# Altium PCB Boris_IO.PcbDoc (part 1 of 2)
Units mm, origin at the board's own origin, x right, y up, seen from the top; angles counter-clockwise.
Board outline 102.8 x 86.9 mm, 2 copper layers (Top Layer, Bottom Layer); 164 components, 216 nets, 847 pads, 54 vias.
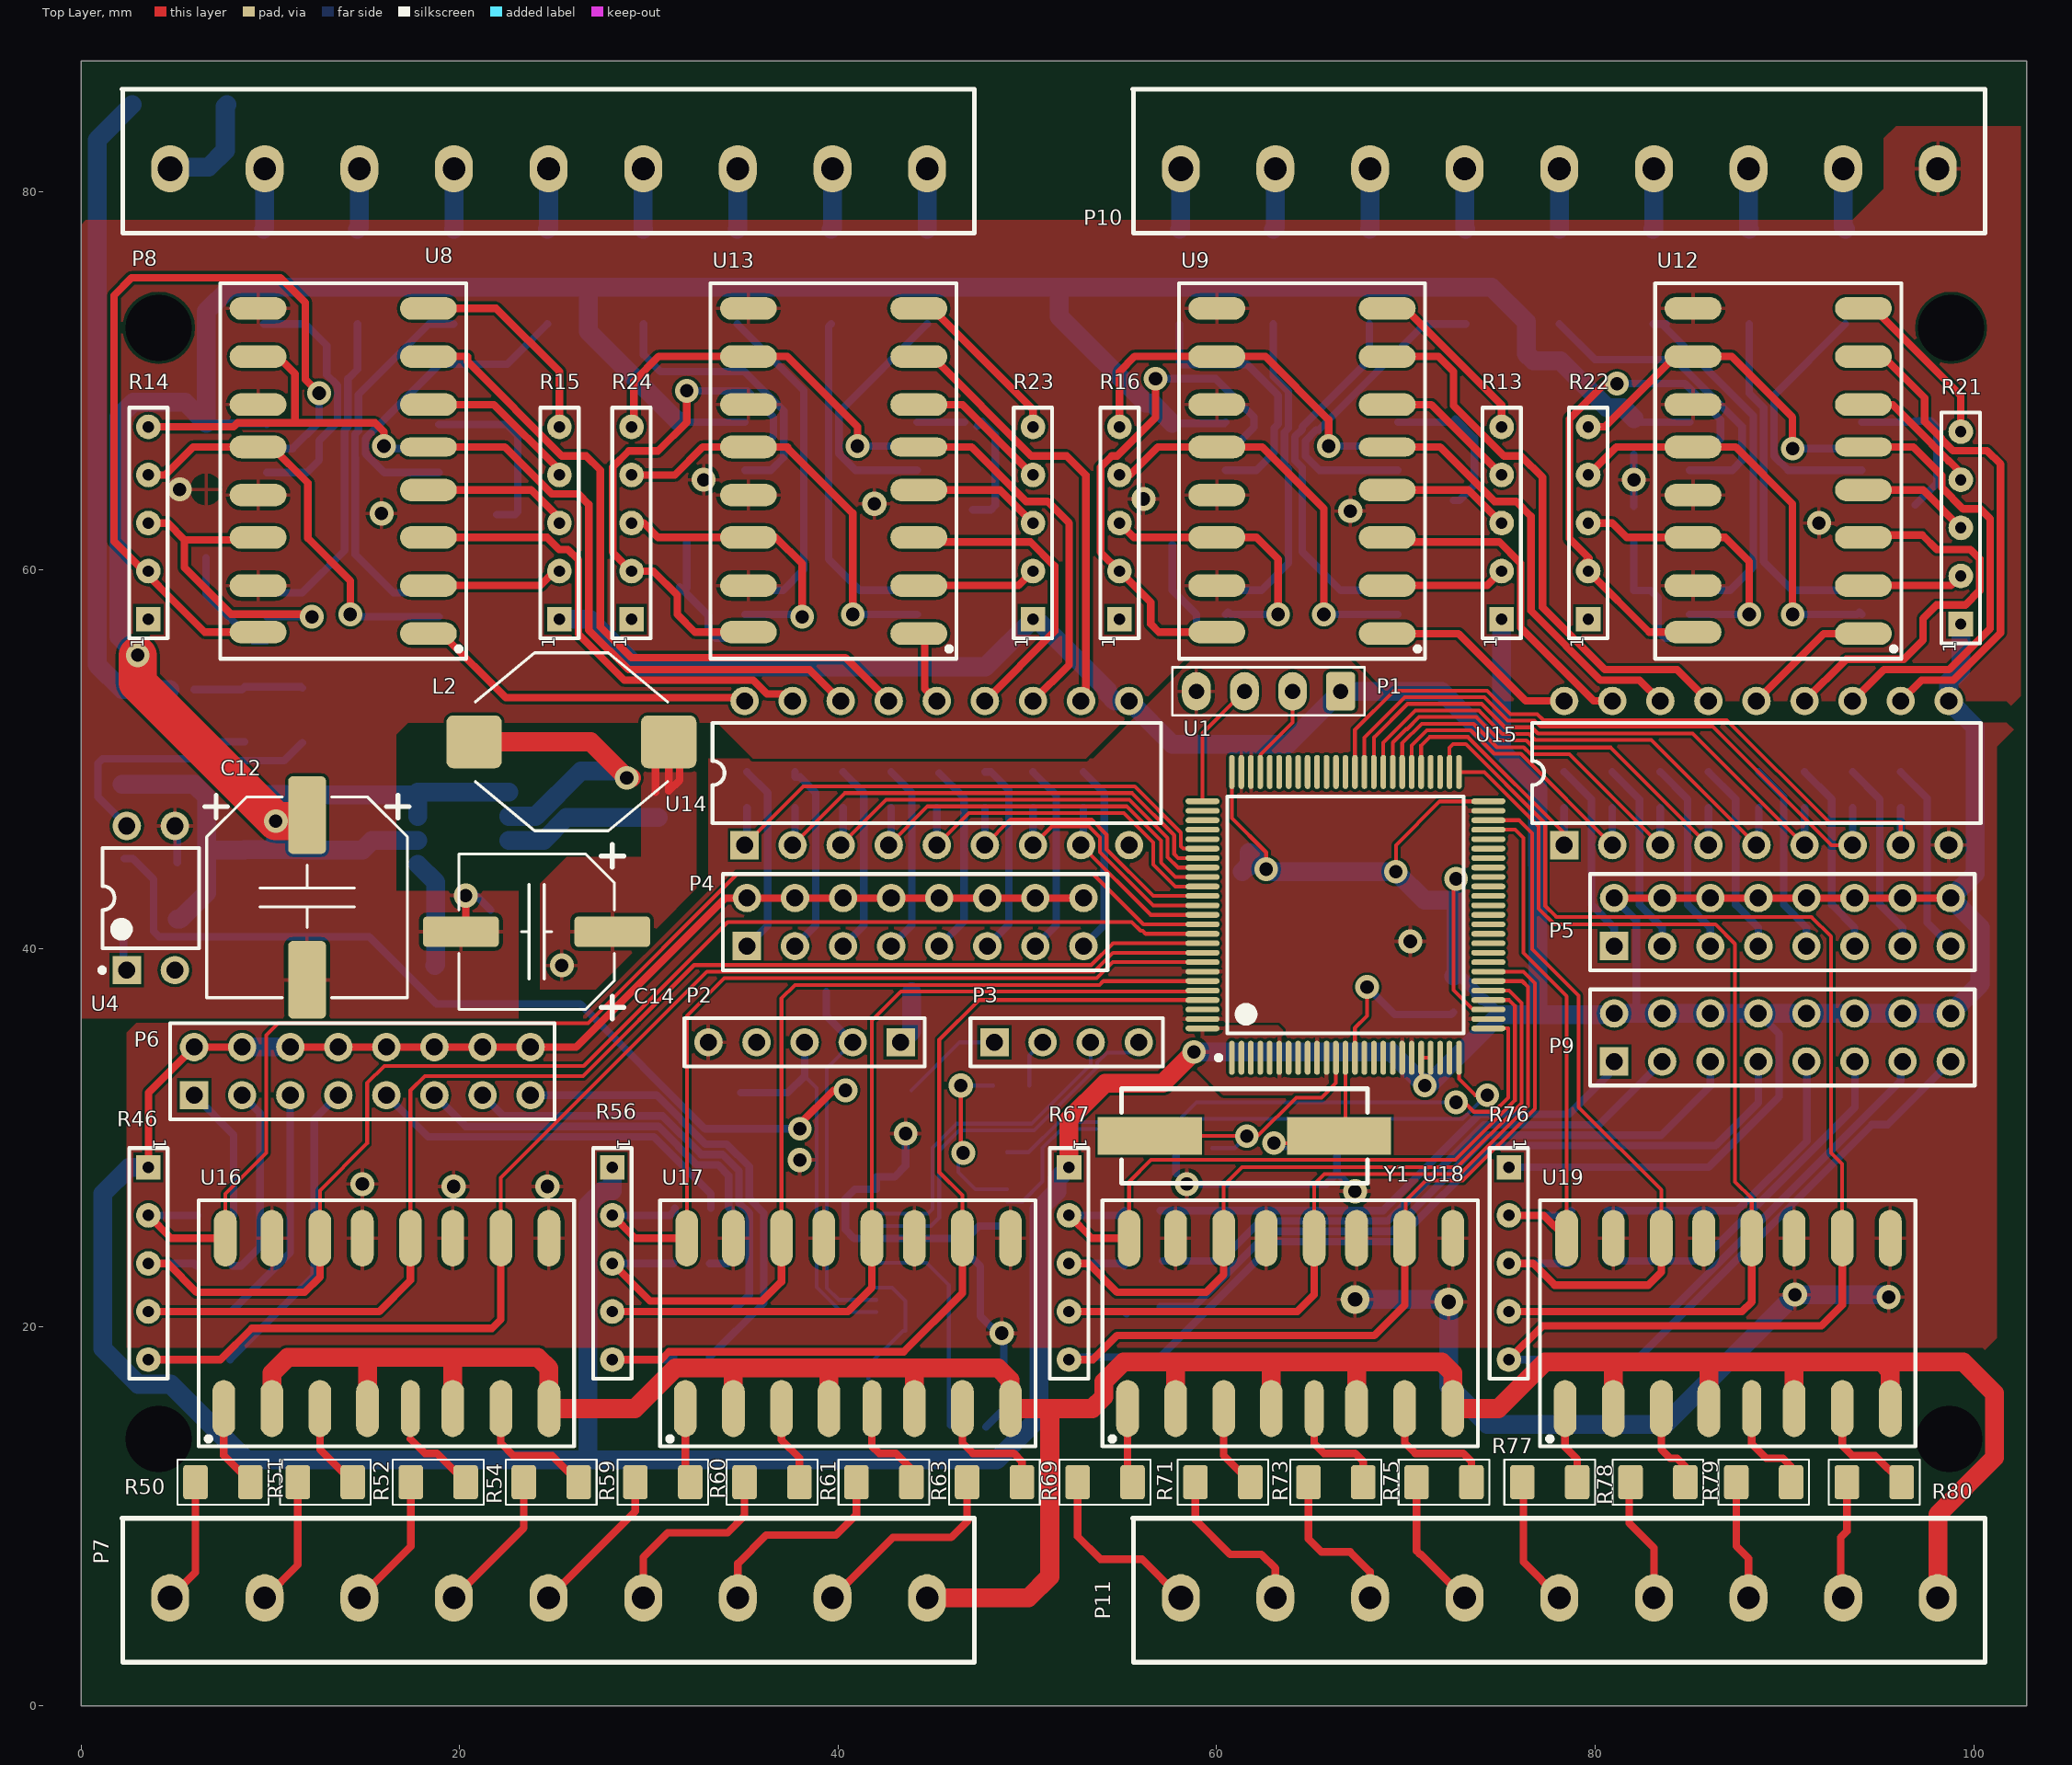
[diagram p0: Top Layer view]
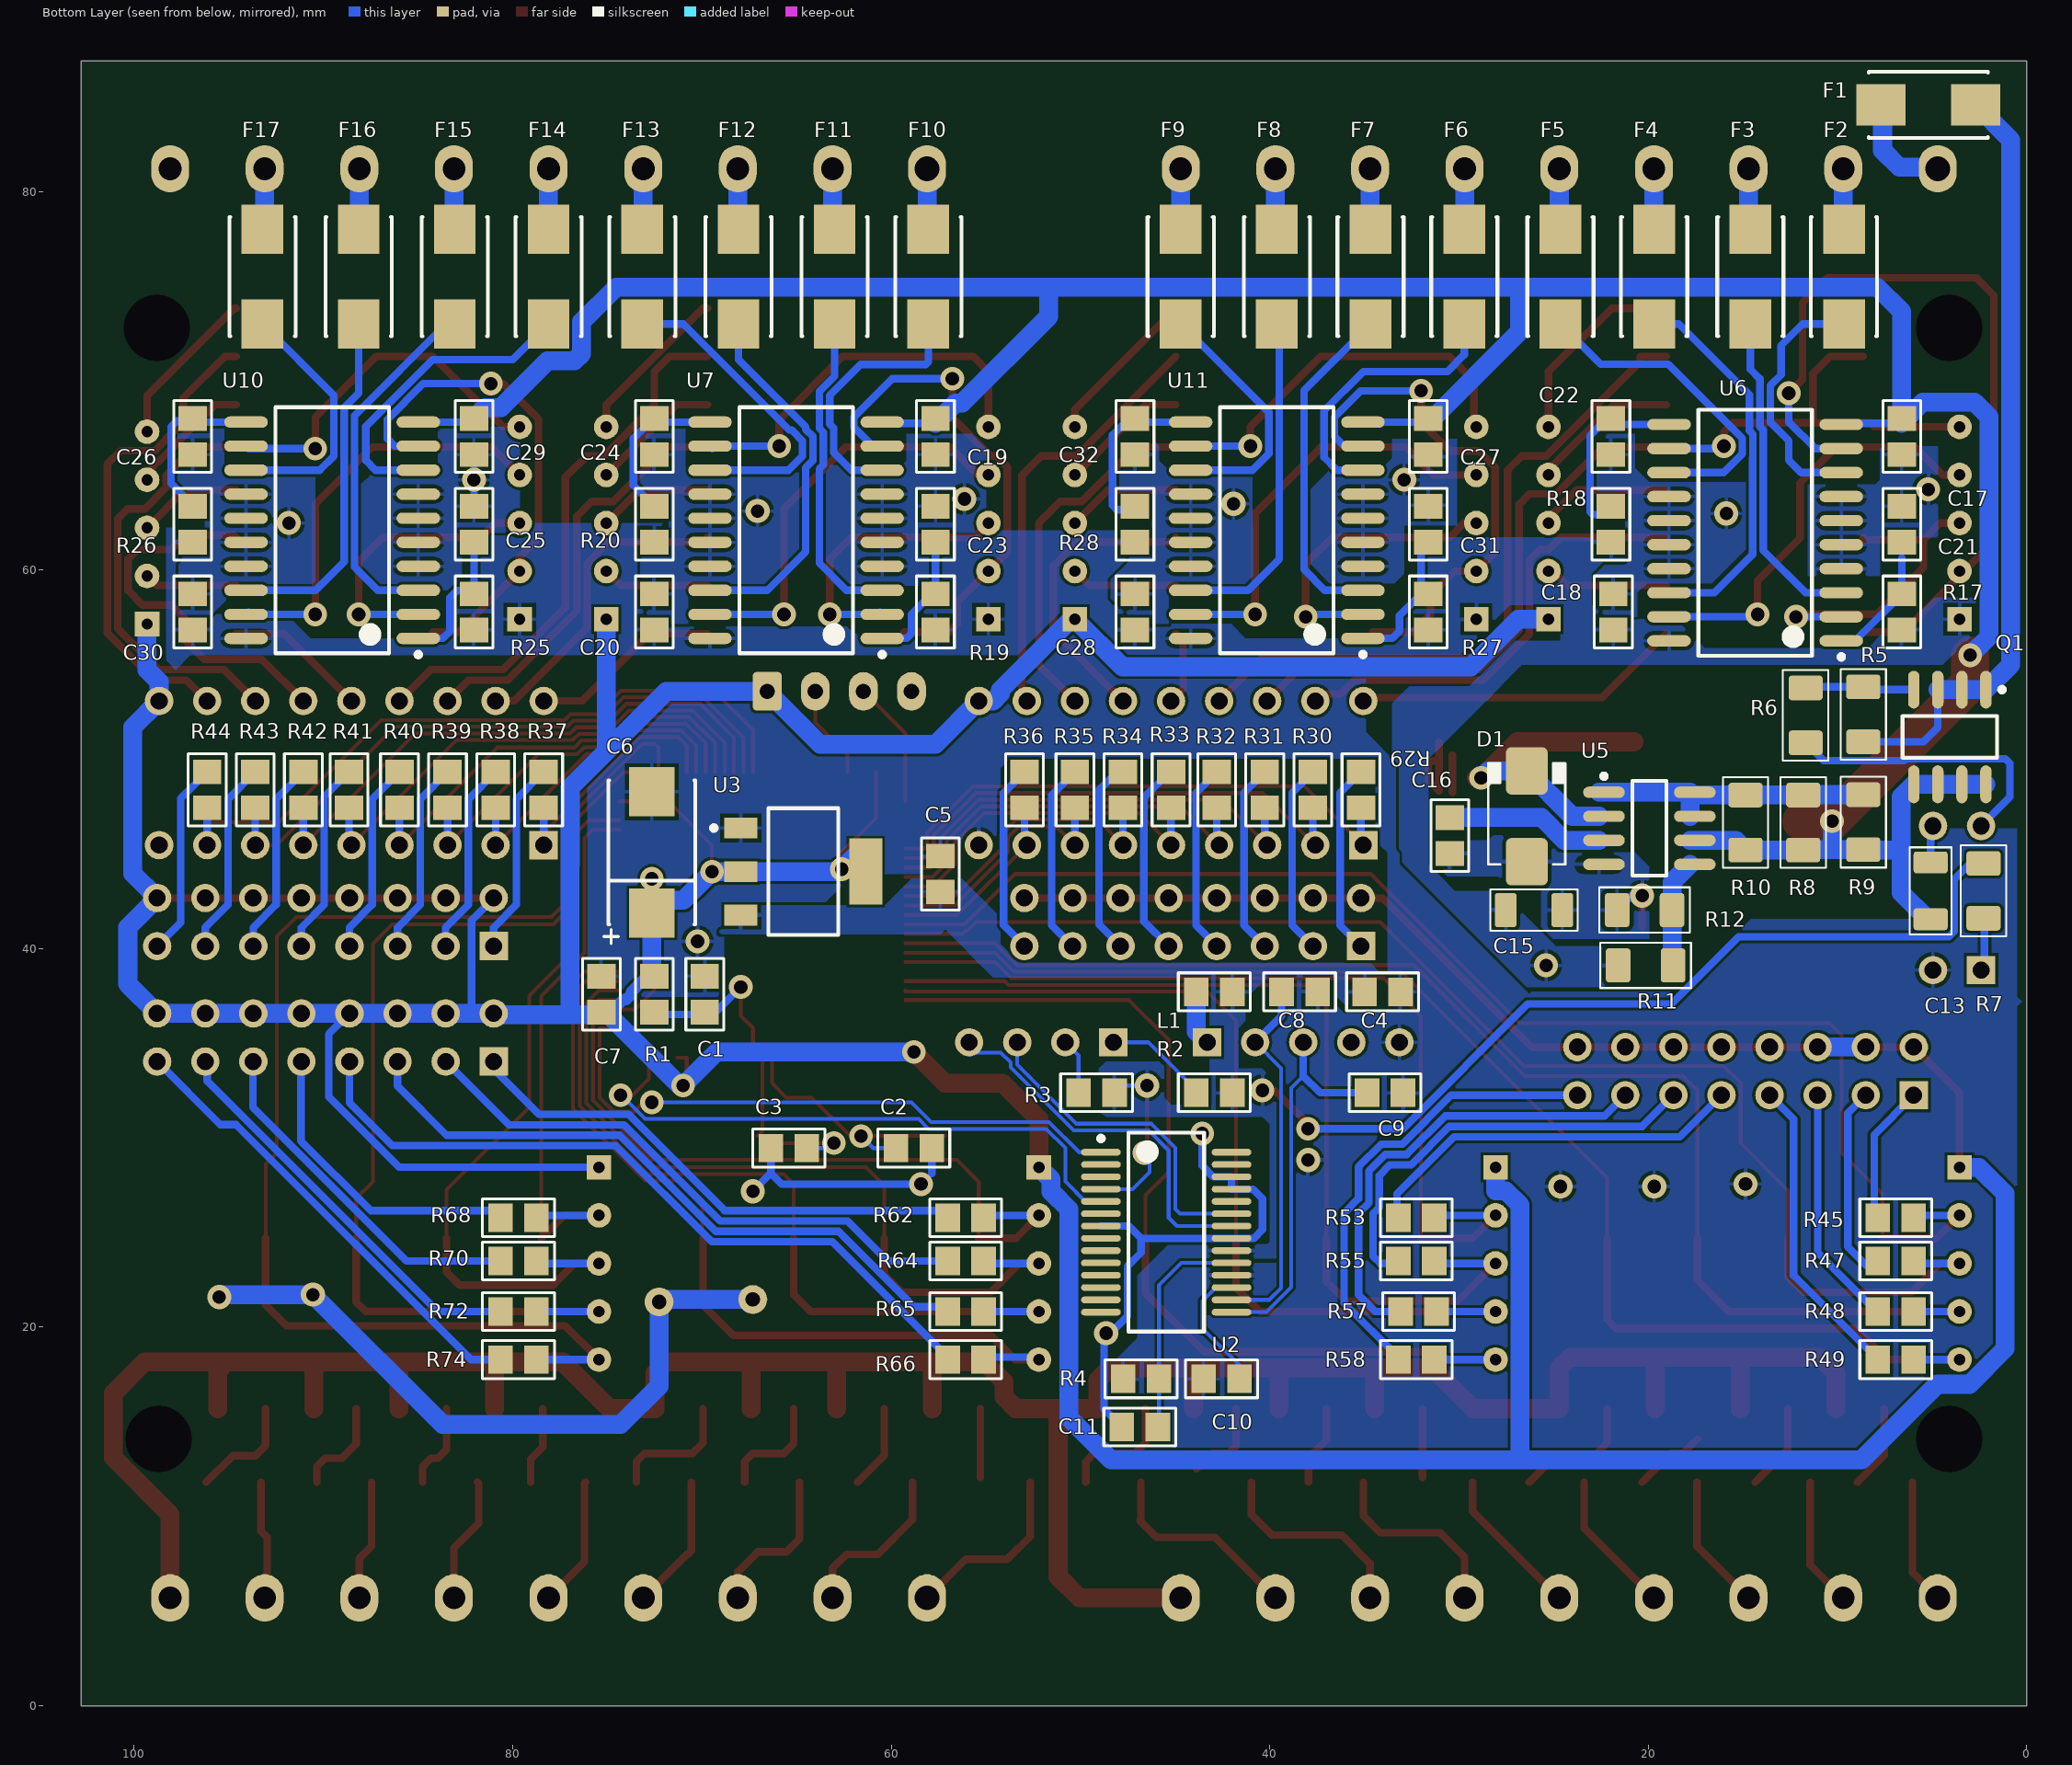
[diagram p1: Bottom Layer view, seen from below]
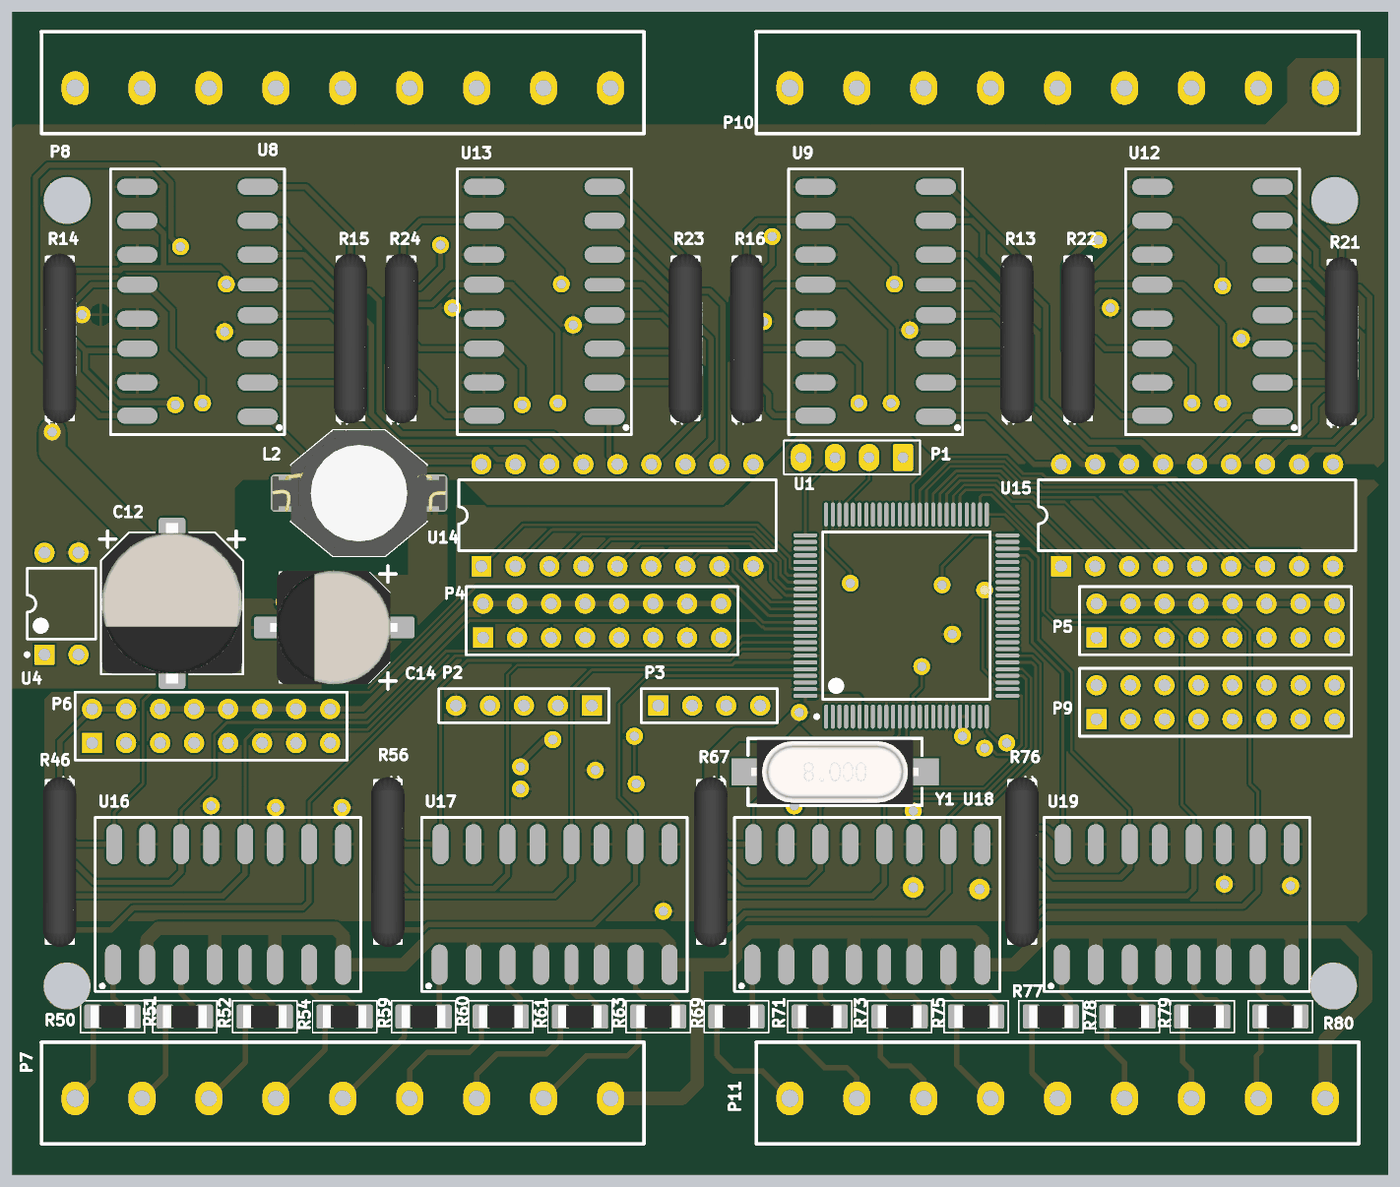
[diagram p3: 3D render of the assembled board from above, using the file's embedded part models]
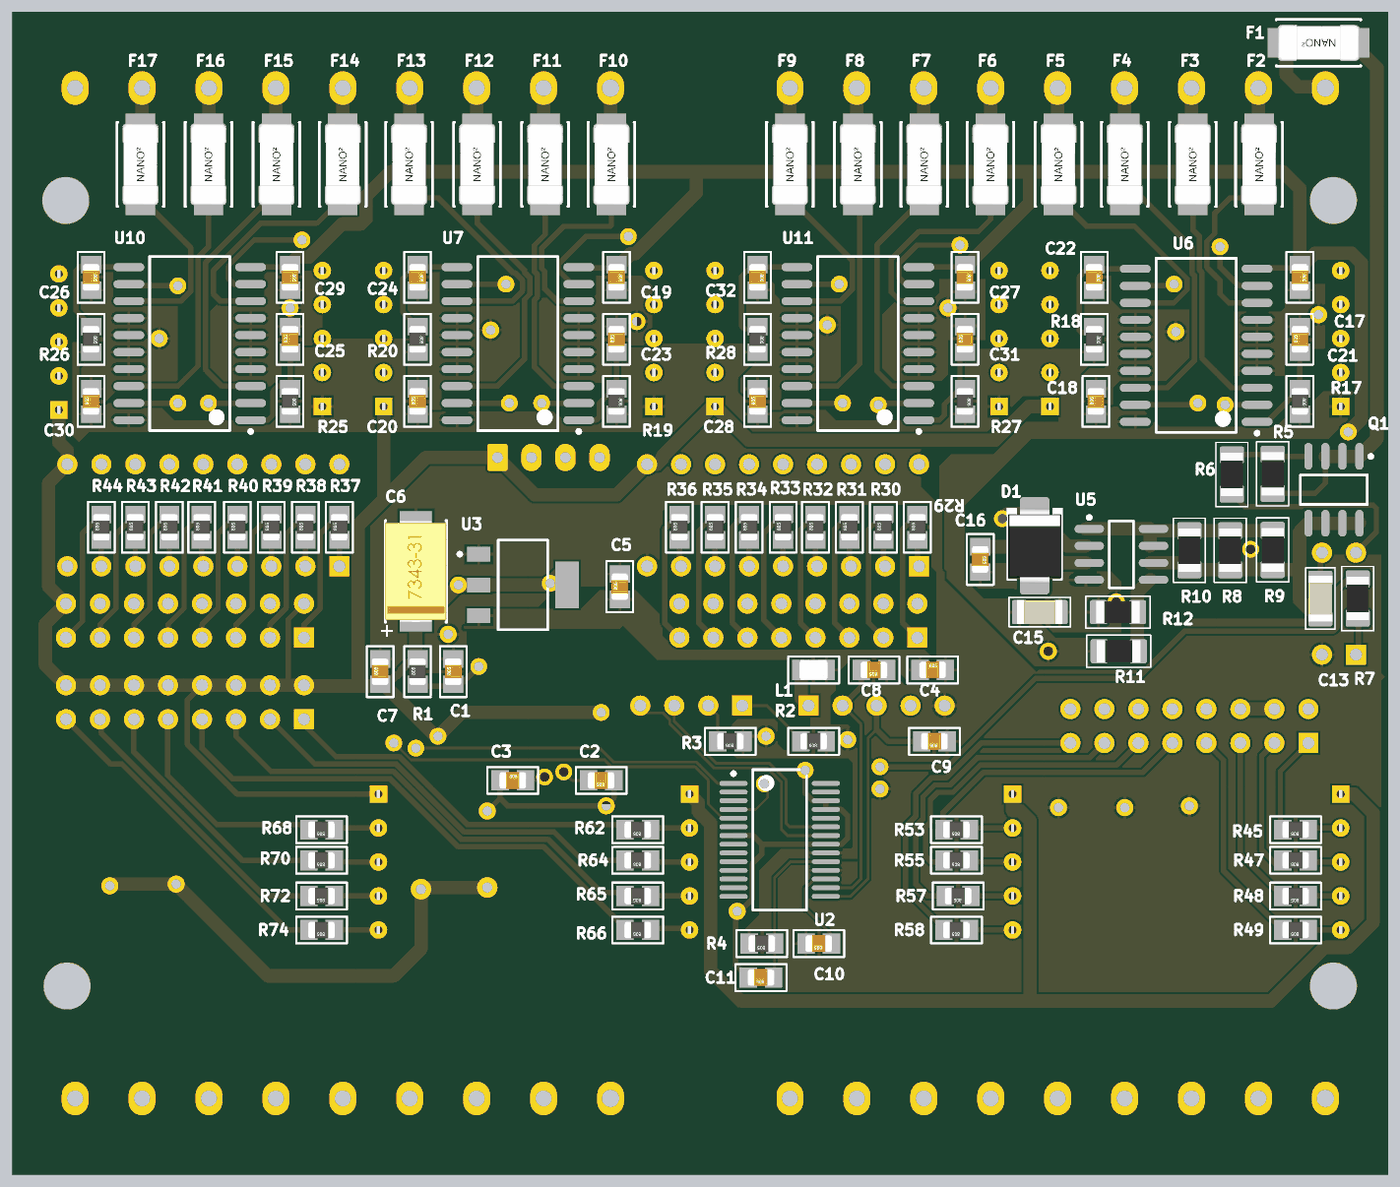
[diagram p4: 3D render of the assembled board from below, using the file's embedded part models]

## Layer stack, top to bottom
Top Solder: solder mask 0.0102, Solder Resist, Dk 3.5
Top Layer: signal copper 0.0356
Dielectric 1: dielectric 0.32, FR-4, Dk 4.8
Bottom Layer: signal copper 0.0356
Bottom Solder: solder mask 0.0102, Solder Resist, Dk 3.5

## Board outline
0,0 102.8,0 102.8,86.9 0,86.9

## Design rules (kind name [scope] priority, off if disabled: settings)
Clearance Clearance-xPP-xTP-xTT [All] p1: gap=0.15
ComponentClearance [All] p1: gap=0.25 collisioncheckmode=3 verticalgap=0.25 showdistances=FALSE
DiffPairsRouting [All] p1: maxlimit=0.25 minlimit=0.25 mostfreqgap=0.25 toplayer_minwidth=0.381 toplayer_maxwidth=0.381 toplayer_prefwidth=0.381 bottomlayer_minwidth=0.381 bottomlayer_maxwidth=0.381 bottomlayer_prefwidth=0.381 maxuncoupledlength=12.5
Height [All] p1: minheight=0 maxheight=25 prefheight=12.5
HoleSize HoleSize-PTH [All] p1: absolutevalues=TRUE maxlimit=2 minlimit=0.25 maxpercent=80.000 minpercent=20.000
HoleToHoleClearance [All] p1: gap=0.35 allowstackedmicrovias=TRUE
MinimumAnnularRing "Minimum IAR  >0.45mm" [((ObjectKind = 'Pad') OR (ObjectKind = 'Via')) And (Layer = 'MultiLayer') And (HoleDiameter > AsMM(0.45))] p1: minimumring=0.175 // minimum inner annular ring for pads > 0.45mm finished hole size
MinimumAnnularRing "Minimum IAR <=0.45mm" [((ObjectKind = 'Pad') OR (ObjectKind = 'Via')) And (Layer = 'MultiLayer') And (HoleDiameter <= AsMM(0.45))] p2: minimumring=0.175 // minimum inner annular ring for pads <= 0.45mm finished hole size
MinimumSolderMaskSliver [All] p1: minsoldermaskwidth=0.08
PlaneClearance PlaneClearance-IPI [All] p1: clearance=0.25
PlaneConnect [All] p1: planeconnectstyle=Relief reliefexpansion=0.175 reliefentries=4 reliefconductorwidth=0.2 reliefairgap=0.2
PolygonConnect PolygonConnect-xTW [All] p1: connectstyle=Relief reliefconductorwidth=0.2 reliefentries=4 polygonreliefangle="90 Angle" airgapwidth=0.2
RoutingCorners [All] p1: cornerstyle=45-Degree minsetback=2.5 maxsetback=2.5
RoutingVias "RoutingVias > 0.45mm" [(ObjectKind = 'Via') And (HoleDiameter > AsMM(0.45))] p1: holewidth=0.5 width=0.85 viastyle="Through Hole" minholewidth=0.5 minwidth=0.85 maxholewidth=0.9 maxwidth=1.25 // finishet hole size > 0.45mm
RoutingVias "RoutingVias <= 0.45mm" [(ObjectKind = 'Via') And (HoleDiameter <= AsMM(0.45))] p2: holewidth=0.3 width=0.65 viastyle="Through Hole" minholewidth=0.25 minwidth=0.6 maxholewidth=0.45 maxwidth=0.8 // finishet hole size <= 0.45mm
SilkToSilkClearance [All] p1: silktosilkclearance=0.2
SilkToSolderMaskClearance SilkscreenOverComponentPads [IsPad] p1: minsilkscreentomaskgap=0.2 clearancetoexposedcopper=TRUE
SolderMaskExpansion [All] p1: expansion=0
SupplyNets "Schematic Supply Nets" [All] p1: voltage=0,000
Width Width-xTW [All] p1: maxlimit=2 minlimit=0.2 preferedwidth=0.4
19 further rules are at their usual default settings.

## Classes and differential pairs
component class IO-01_5: F1 F2 F3 F4 F5 F6 F7 F8 F9 F10 F11 F12 F13 F14 F15 F16 F17 P6 P7 P8 P9 P10 P11 R45 R46 R47 R48 R49 R50 R51 R52 R53 R54 R55 R56 R57 R58 R59 R60 R61 R62 R63 R64 R65 R66 R67 R68 R69 R70 R71 R72 R73 R74 R75 R76 R77 R78 R79 R80 U16 U17 U18 U19
component class IO-01_4: P4 P5 R29 R30 R31 R32 R33 R34 R35 R36 R37 R38 R39 R40 R41 R42 R43 R44 U14 U15
component class IO-01_3: C17 C18 C19 C20 C21 C22 C23 C24 C25 C26 C27 C28 C29 C30 C31 C32 R13 R14 R15 R16 R17 R18 R19 R20 R21 R22 R23 R24 R25 R26 R27 R28 U6 U7 U8 U9 U10 U11 U12 U13
component class IO-01: C1 C2 C3 P1 R1 U1 Y1
component class IO-01_2: C4 C5 C6 C7 C8 C9 C10 C11 C12 C13 C14 C15 C16 D1 L1 L2 P2 P3 Q1 R2 R3 R4 R5 R6 R7 R8 R9 R10 R11 R12 U2 U3 U4 U5

## Components (designator, comment, footprint, x,y, rotation, side; value= is the part's Value field where it differs from the comment)
C1 "100nF" 0805_CAP 69.85,37.592 r90 bottom
C2 "27pF" 0805_CAP 58.801,29.464 r0 bottom
C3 "27pF" 0805_CAP 65.405,29.464 r180 bottom
C4 "10nF" 0805_CAP 34.036,37.719 r180 bottom
C5 "100nF" 0805_CAP 57.404,43.942 r90 bottom
C6 "100uF" 7343 72.644,45.085 r90 bottom
C7 "100nF" 0805_CAP 75.311,37.592 r90 bottom
C8 "39pF" 0805_CAP 38.42,37.719 r0 bottom
C9 "39pF" 0805_CAP 33.909,32.385 r0 bottom
C10 "100nF" 0805_CAP 42.545,17.272 r0 bottom
C11 "100nF" 0805_CAP 46.863,14.732 r0 bottom
C12 "Cap Pol1" CAP_ELEC_SIZE_G 11.938,42.704 r180 top
C13 "100nF" CAPC3216N 5.08,43.053 r90 bottom
C14 "Cap Pol1" CAP_ELEC_SIZE_E 24.067,40.894 r90 top
C15 "100nF" CAPC3216N 26.035,42.037 r180 bottom
C16 "220pF" 0805_CAP 30.48,45.974 r270 bottom
C17 "100nF" 0805_CAP 6.604,67.056 r270 bottom
C18 "100nF" 0805_CAP 21.844,57.785 r90 bottom
C19 "100nF" 0805_CAP 57.658,67.056 r270 bottom
C20 "100nF" 0805_CAP 72.517,57.785 r90 bottom
C21 "100nF" 0805_CAP 6.604,62.423 r90 bottom
C22 "100nF" 0805_CAP 21.971,67.056 r270 bottom
C23 "100nF" 0805_CAP 57.658,62.423 r90 bottom
C24 "100nF" 0805_CAP 72.517,67.056 r270 bottom
C25 "100nF" 0805_CAP 82.042,62.423 r90 bottom
C26 "100nF" 0805_CAP 96.901,67.056 r270 bottom
C27 "100nF" 0805_CAP 31.623,67.056 r270 bottom
C28 "100nF" 0805_CAP 47.117,57.785 r90 bottom
C29 "100nF" 0805_CAP 82.042,67.056 r270 bottom
C30 "100nF" 0805_CAP 96.901,57.785 r90 bottom
C31 "100nF" 0805_CAP 31.623,62.423 r90 bottom
C32 "100nF" 0805_CAP 47.117,67.056 r270 bottom
D1 "MBRS1100T3G" DO-214AA 26.416,46.99 r90 bottom
F1 "SSQ 0.25A" SST6032 5.207,84.582 r0 bottom
F2 "SSQ 0.25A" SST6032 9.652,75.5 r90 bottom
F3 "SSQ 0.25A" SST6032 14.605,75.5 r90 bottom
F4 "SSQ 0.25A" SST6032 19.685,75.5 r90 bottom
F5 "SSQ 0.25A" SST6032 24.638,75.5 r90 bottom
F6 "SSQ 0.25A" SST6032 29.718,75.5 r90 bottom
F7 "SSQ 0.25A" SST6032 34.671,75.5 r90 bottom
F8 "SSQ 0.25A" SST6032 39.624,75.5 r90 bottom
F9 "SSQ 0.25A" SST6032 44.704,75.5 r90 bottom
F10 "SSQ 0.25A" SST6032 58.039,75.5 r90 bottom
F11 "SSQ 0.25A" SST6032 62.992,75.5 r90 bottom
F12 "SSQ 0.25A" SST6032 68.072,75.5 r90 bottom
F13 "SSQ 0.25A" SST6032 73.152,75.5 r90 bottom
F14 "SSQ 0.25A" SST6032 78.105,75.5 r90 bottom
F15 "SSQ 0.25A" SST6032 83.058,75.5 r90 bottom
F16 "SSQ 0.25A" SST6032 88.138,75.5 r90 bottom
F17 "SSQ 0.25A" SST6032 93.218,75.5 r90 bottom
L1 "Inductor Iron" 0805_IND 42.926,37.719 r180 bottom
L2 "330mH" IND_Coilcraft_DO3316P_SM 25.908,50.927 r0 top
P1 "Tüskesor" HDR1X4_2.54mmp 66.548,53.594 r180 top
P2 "Header 5" HDR1X5 43.307,35.052 r180 top
P3 "Header 4" HDR1X4 48.26,35.052 r0 top
P4 "Header 8X2" HDR2X8 35.179,40.132 r0 top
P5 "Header 8X2" HDR2X8 81,40.132 r0 top
P6 "Header 8X2" HDR2X8 5.969,32.258 r0 top
P7 "Header 9" 3X3 4.7,5.7 r0 top
P8 "Header 9" 3X3 4.7,81.2 r0 top
P9 "Header 8X2" HDR2X8 81,34.036 r0 top
P10 "Header 9" 3X3 58.1,81.2 r0 top
P11 "Header 9" 3X3 58.1,5.7 r0 top
Q1 "SI4431DY" SO-8_N 4.064,51.181 r270 bottom
R1 "10K" 0805_RES 72.517,37.592 r90 bottom
R2 "270R" 0805_RES 42.926,32.385 r0 bottom
R3 "270R" 0805_RES 49.149,32.385 r0 bottom
R4 "10K" 0805_RES 46.797,17.272 r0 bottom
R5 "1K" RESC3216N 8.636,52.377 r90 bottom
R6 "1K" RESC3216N 11.684,52.324 r270 bottom
R7 "1K" RESC3216N 2.286,43.053 r270 bottom
R8 "1R" RESC3216N 11.811,46.662 r90 bottom
R9 "1R" RESC3216N 8.636,46.683 r90 bottom
R10 "1R" RESC3216N 14.859,46.662 r90 bottom
R11 "3k" RESC3216N 20.14,39.116 r180 bottom
R12 "1K" RESC3216N 20.193,42.037 r0 bottom
R13 "4x10k" NFD_SIL-RES-5 75.057,57.404 r90 top
R14 "4x10k" NFD_SIL-RES-5 3.556,57.404 r90 top
R15 "4x10k" NFD_SIL-RES-5 25.273,57.404 r90 top
R16 "4x10k" NFD_SIL-RES-5 54.864,57.404 r90 top
R17 "10K" 0805_RES 6.604,57.785 r270 bottom
R18 "10K" 0805_RES 21.971,62.423 r270 bottom
R19 "10K" 0805_RES 57.658,57.785 r270 bottom
R20 "10K" 0805_RES 72.517,62.423 r270 bottom
R21 "4x10k" NFD_SIL-RES-5 99.314,57.15 r90 top
R22 "4x10k" NFD_SIL-RES-5 79.629,57.404 r90 top
R23 "4x10k" NFD_SIL-RES-5 50.292,57.404 r90 top
R24 "4x10k" NFD_SIL-RES-5 29.083,57.404 r90 top
R25 "10K" 0805_RES 82.042,57.785 r270 bottom
R26 "10K" 0805_RES 96.901,62.423 r270 bottom
R27 "10K" 0805_RES 31.623,57.785 r270 bottom
R28 "10K" 0805_RES 47.117,62.423 r270 bottom
R29 "270R" 0805_RES 35.179,48.387 r90 bottom
R30 "270R" 0805_RES 37.719,48.387 r90 bottom
R31 "270R" 0805_RES 40.259,48.387 r90 bottom
R32 "270R" 0805_RES 42.799,48.387 r90 bottom
R33 "270R" 0805_RES 45.212,48.387 r90 bottom
R34 "270R" 0805_RES 47.752,48.387 r90 bottom
R35 "270R" 0805_RES 50.292,48.387 r90 bottom
R36 "270R" 0805_RES 52.959,48.387 r90 bottom
R37 "270R" 0805_RES 78.359,48.387 r90 bottom
R38 "270R" 0805_RES 80.899,48.387 r90 bottom
R39 "270R" 0805_RES 83.439,48.387 r90 bottom
R40 "270R" 0805_RES 85.979,48.387 r90 bottom
R41 "270R" 0805_RES 88.646,48.387 r90 bottom
R42 "270R" 0805_RES 91.059,48.387 r90 bottom
R43 "270R" 0805_RES 93.599,48.387 r90 bottom
R44 "270R" 0805_RES 96.139,48.387 r90 bottom
R45 "270R" 0805_RES 6.924,25.781 r0 bottom
R46 "4x10k" NFD_SIL-RES-5 3.556,28.448 r270 top
R47 "270R" 0805_RES 6.924,23.495 r0 bottom
R48 "270R" 0805_RES 6.924,20.828 r0 bottom
R49 "270R" 0805_RES 6.924,18.288 r0 bottom
R50 "3k" RESC3216N 7.493,11.811 r0 top
R51 "3k" RESC3216N 12.901,11.811 r0 top
R52 "3k" RESC3216N 18.87,11.811 r0 top
R53 "270R" 0805_RES 32.258,25.781 r0 bottom
R54 "3k" RESC3216N 24.839,11.811 r0 top
R55 "270R" 0805_RES 32.258,23.495 r0 bottom
R56 "4x10k" NFD_SIL-RES-5 28.067,28.448 r270 top
R57 "270R" 0805_RES 32.131,20.828 r0 bottom
R58 "270R" 0805_RES 32.258,18.288 r0 bottom
R59 "3k" RESC3216N 30.734,11.811 r0 top
R60 "3k" RESC3216N 36.502,11.811 r0 top
R61 "3k" RESC3216N 42.418,11.811 r0 top
R62 "270R" 0805_RES 56.068,25.781 r0 bottom
R63 "3k" RESC3216N 48.26,11.811 r0 top